# KiCad board main.kicad_pcb (continued)
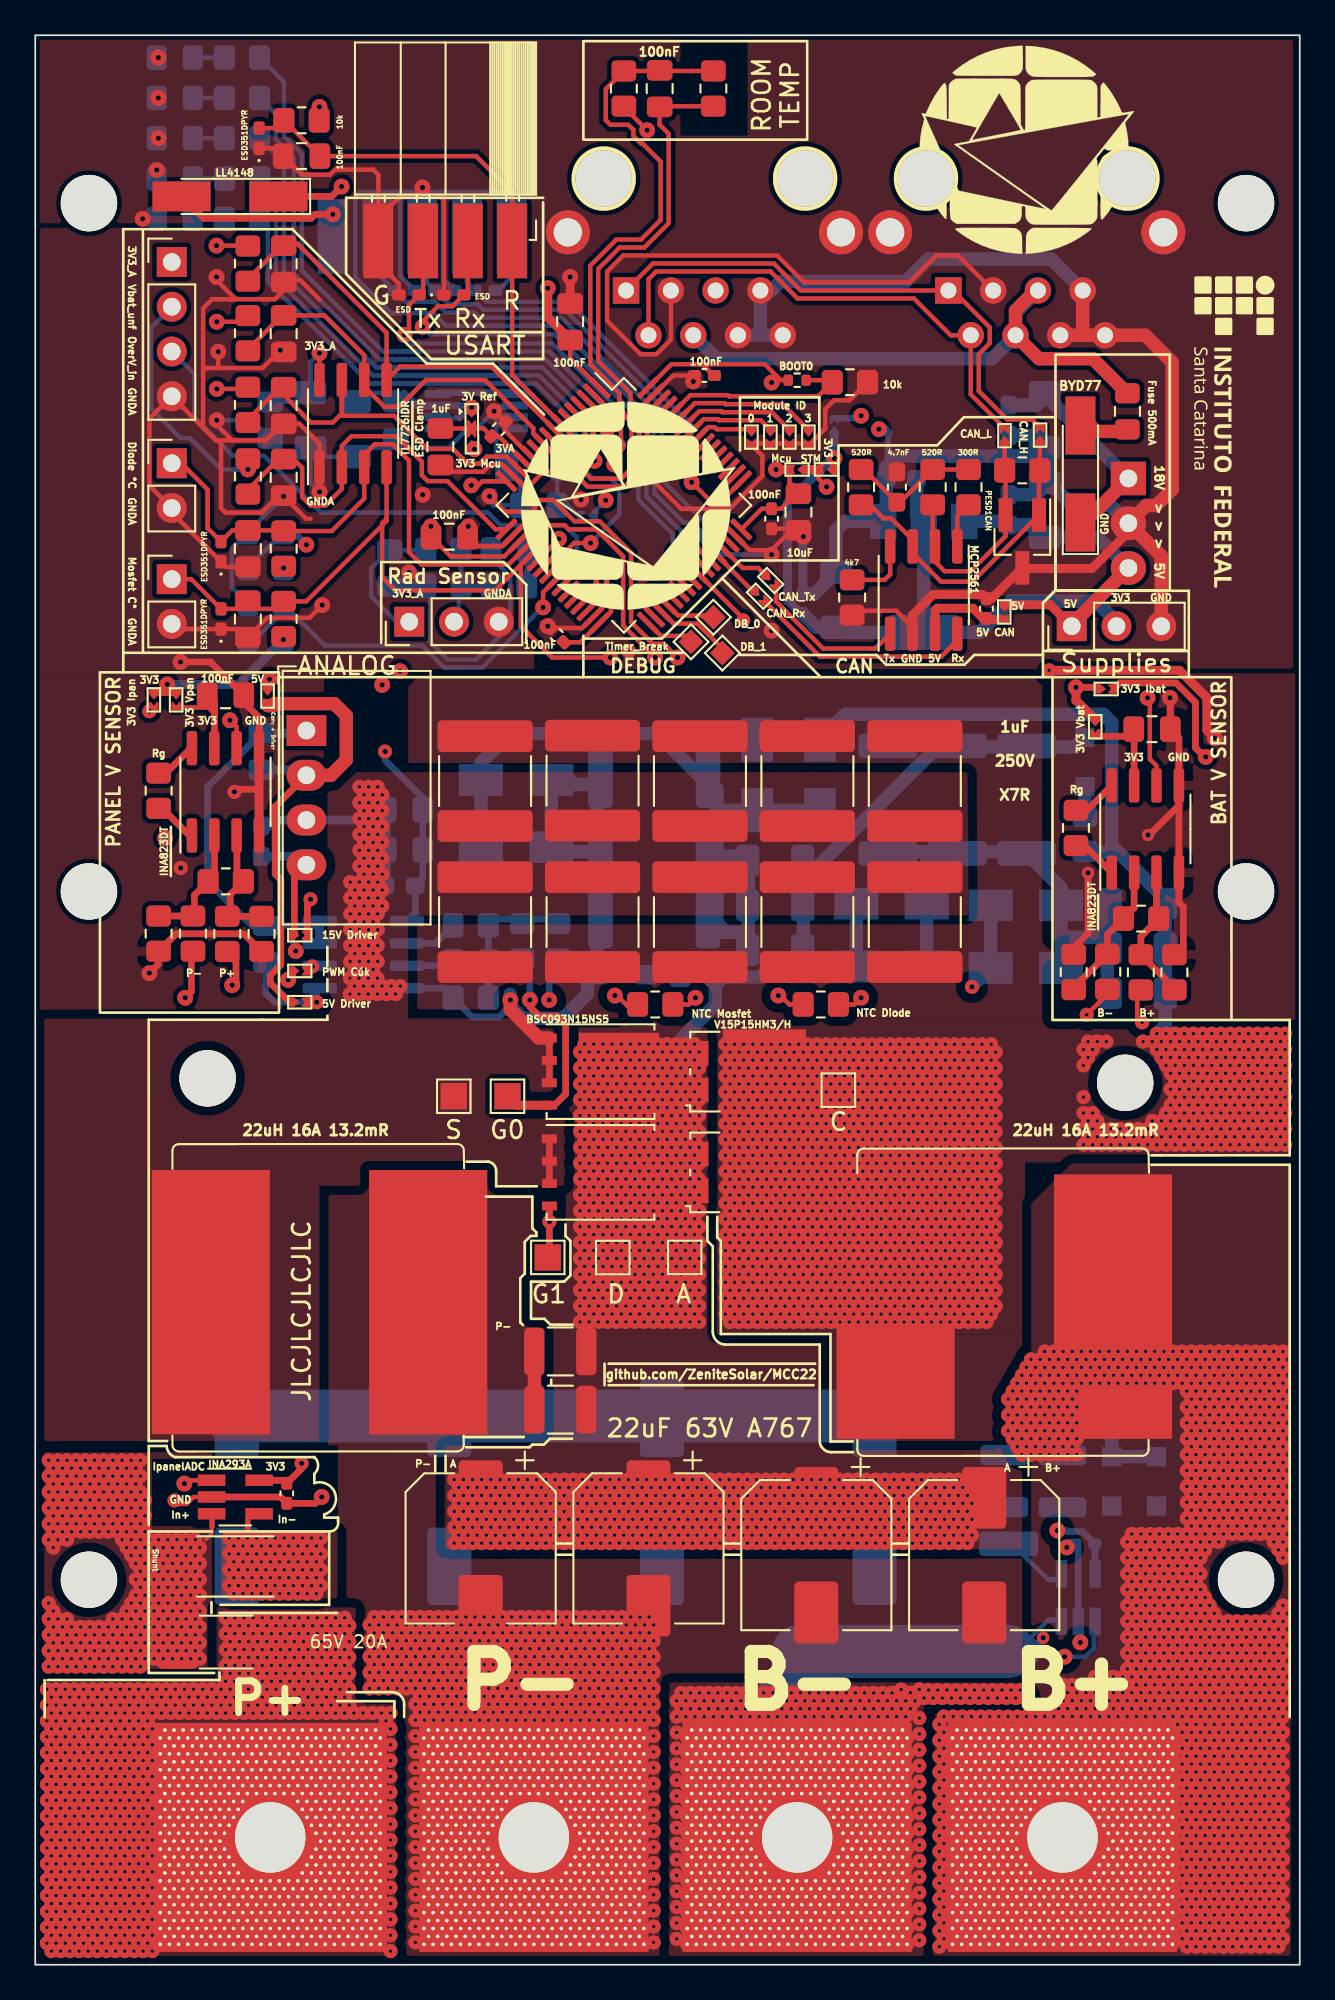
[diagram p0: board, top side]
## Routing (per net, layer and track width the routed paths; a pad name or vN(x,y) marks a point on that pad's centre or on a via; arc(x,y) is an arc through that point) (continued)
GNDA: length 974.4
  Top w0.254: 9.57,87.17 J301.4 6.48,87.72 6.48,83.92 J303.2 ; 9.57,87.17 10.25,86.49 11.17,86.49 ; 9.57,87.17 9.53,87.21 9.53,90.42 ; 11.17,86.49 10.3,87.36 v1(10.3,87.63) ; 11.17,86.49 13.08,86.49 14.02,87.43 ; TH303.2 35.47,105.45 ; U202.12 28.83,84.9 28.83,84.7 ; 14.1,83.64 12.85,82.39 10.79,82.39 10.54,82.65 10.54,86.49 ; TH301.2 46.48,54.48 v1(46.86,54.86) ; U202.15 26.49,85.12 25.81,85.12 25.4,84.71 25.07,84.71 25.07,84.71 23.37,84.71 ; U202.15 28.32,83.29 NT301.2 29.39,83.11 30.6,81.89 32.02,81.89 33.81,80.11 33.81,76.18 35.04,74.95 35.67,74.95 v1(36.45,74.17) ; U202.15 27.69,83.92 28.05,83.92 28.83,84.7 ; 11.06,94.5 13.59,94.5 14.1,95.01 14.1,95.58 15.04,95.58 16.13,94.49 ; 11.06,94.5 10.04,94.5 9.53,93.98 9.53,90.42 ; 11.06,94.5 11.37,94.5 10.29,95.58 v1(10.29,95.76) ; 7.75,82.39 D302.1 10.83,79.31 C303.2 ; 10.37,90.59 12.9,90.59 v1(13.91,91.6) ; 10.37,90.59 9.7,90.59 9.53,90.42 ; 10.37,90.59 10.38,90.61 v1(10.38,91.52) ; 28.83,84.7 30.51,84.7 31.34,83.86 33.45,83.86 34.29,84.71 34.29,87.68 33.86,88.12 33.86,88.23 33.78,88.3 33.78,89.16 31.95,90.99 31.95,96.22 33.16,97.43 34.57,97.43 35.94,98.81 35.94,103.89 35.43,104.39 C315.2 ; v3(7.9,26.34) 8.1,26.15 8.58,26.15 8.97,26.54 U303.2 ; C311.2 15,87.43 16.13,86.3 U305.1 ; 28.15,85.55 26.69,87.01 C211.1 26.08,88.14 ; v1(16.28,77.14) 15.57,76.43 13.18,76.43 C302.2 11.6,75.78 D301.1 8.55,75.78 8.26,76.08 ; 15.62,82.04 15.37,82.04 v1(14.1,83.31) ; v1(37.47,54.86) 37.08,54.48 TH302.2 ; v1(16.13,83.57) 16.13,84.96
  Top w0.381: U303.2 13.92,26.54 C305.2 15.89,26.18 v1(16.26,26.54) ; R313.1 65.15,57.82 65.15,60.02 64.9,60.27 U302.4 U302.5 ; v4(63.14,64.1) 63.21,64.1 64.9,65.79 U302.5 ; v3(11.3,66.55) 11.45,66.69 12.72,66.69 12.72,70.75 11.83,71.63 C307.2 9.95,73.91 v1(8.24,73.91) ; v1(6.48,56.26) 6.99,56.77 6.99,57.48 ; U302.5 64.9,69.62 C308.2 64.41,71.86 v1(64.39,71.88) ; v4(59.74,61.95) 59.74,58.52 58.93,57.71 ; 12.84,57.48 11.84,58.49 9.67,58.49 9.66,58.49 7.99,58.49 7,57.5
  Top w0.508: v2(57.53,73.44) 64.93,73.44 66.48,71.89 66.48,70.04 v1(66.93,69.6) ; U301.4 U301.5
  In1.Cu w0.254: 26.31,75.35 25.74,74.77 14.77,74.77 14.4,74.41 13.76,74.41 13.39,74.77 9.05,74.77 J304.2
  In1.Cu w0.381: 11.01,63.46 11.01,66.26 v3(11.3,66.55) ; 11.01,63.46 11.01,61.25 13.35,58.92 13.35,54.91 15.69,52.56 15.69,28.98 15.9,28.78 15.9,28.12 15.69,27.91 15.69,27.1 v1(16.26,26.54) ; 11.01,63.46 9.78,62.23 v3(8.26,62.23) ; v4(59.74,61.95) 61.89,64.1 v4(63.14,64.1)
  In1.Cu w0.508: v1(58.54,23.68) 57.68,23.68 53.53,27.83 53.53,33.99 57.02,37.49 57.02,61.47 65.15,69.6 v1(66.93,69.6) ; v1(10.29,95.76) 12.32,95.76 13.59,97.03 13.59,101.33 17.41,105.16 34.93,105.16 35.62,104.46 35.62,104.18 41.06,98.75 42.08,98.75 47.88,92.95 v1(47.88,87.12) 47.62,86.87 47.62,74.42 48.61,73.44 v2(57.53,73.44)
  In2.Cu w0.254: 34.86,74.95 35.67,74.95 v1(36.45,74.17) 34.67,72.39 34.67,70.91 34.26,70.49 34.26,56.55 34.71,56.09 42.16,56.09 43.39,54.86 v1(46.86,54.86) ; 34.86,74.95 34.4,74.49 34.4,74.03 33.35,72.98 33.35,55.68 34.16,54.86 34.51,54.86 ; 34.86,74.95 34.55,75.25 32.5,75.25 31.77,74.52 31.77,73.62 32.44,72.96 32.44,55.89 31.87,55.32 31.87,54.72 32.38,54.21 ; v1(6.48,56.26) 6.73,56 6.73,27.51 v3(7.9,26.34) 8.69,26.34 9.53,27.18 9.53,27.69 7.64,29.57 7.64,55.51 9.98,57.84 9.98,68.02 ; v1(14.1,83.31) 12.19,81.41 12.19,78.1 ; v1(10.38,91.52) 11.53,90.37 11.53,87.12 10.38,85.97 10.38,72.45 11.83,71 11.83,70.29 11.37,69.84 10.53,69.84 9.98,69.29 9.98,68.02 ; 9.98,68.02 9.98,71.18 9.98,71.19 9.98,71.56 9.47,72.07 9.47,86.87 10.23,87.63 v1(10.3,87.63) ; 34.51,54.86 33.87,54.86 33.22,54.21 32.38,54.21 ; 34.51,54.86 v1(37.47,54.86) ; 32.38,54.21 30.2,54.21 29.83,53.85 26.56,53.85 26.19,54.21 16.91,54.21 16.37,53.67 11.78,53.67 10.23,55.22 10.23,56.72 10.88,57.37 10.88,67.64 12.73,69.49 12.73,71.38 11.29,72.82 11.29,85.34 12.44,86.5 12.44,91.57 11.76,92.26 11.76,94.29 v1(10.29,95.76) ; 32.38,54.21 55.77,54.21 57.18,52.8 57.18,37.16 53.36,33.34 53.36,29.51 55.7,27.18 55.7,18.59 56.46,17.82 57.43,17.82 57.89,18.29 v1(59.3,18.29) 59.3,17.25 58.75,16.7 57.84,16.7 57.63,16.92 56.08,16.92 54.74,18.26 54.74,26.85 52.46,29.13 52.46,33.72 56.28,37.54 56.28,52.42 55.39,53.3 30.57,53.3 30.21,52.94 26.18,52.94 25.82,53.3 17.44,53.3 16.9,52.76 11.24,52.76 9.29,54.72 9.29,57.15 9.4,57.27 ; v1(16.28,77.14) 13.16,77.14 12.19,78.1 ; 12.19,78.1 12.19,74.29 14.29,74.29 14.67,74.68 30.12,74.68 31.67,76.22 36.43,76.22 37.97,74.68 61.59,74.68 v1(64.39,71.88)
  In2.Cu w0.381: v3(8.26,62.23) 9.01,61.48 9.01,58.24 7.03,56.26 v1(6.48,56.26)
  Bottom w0.25: 25.94,87.81 27.73,87.81
  Bottom w0.254: R323.1 11.15,78.13 11.15,80.35 R325.1 ; v1(16.13,83.57) 15.62,84.08 C313.2 ; v1(10.3,87.63) 12.3,87.63 C314.2 14.37,85.56 C204.1 ; U304.2 59.18,18.41 v1(59.3,18.29) ; NT201.1 C202.1 27.54,84.31 C201.1 26.17,85.68 26.17,87.72 26.27,87.81 U201.3 ; 18.16,86.07 23.46,86.07 24.64,87.25 25.15,87.25 25.98,88.08 ; 12.08,81.3 v1(14.1,83.31) ; 25.86,79.87 26.95,78.78 26.95,75.99 25.02,74.05 23.4,74.05 22.41,75.04 22.41,77.98
  Bottom w0.381: U304.2 59.18,23.69 C306.2
  Bottom w0.508: C306.2 58.73,23.88 v1(58.54,23.68) ; R304.2 20.13,78.23 ; NT302.2 48.18,87.12 v1(47.88,87.12)
  vias: v1(21.21,78.99) v1(21.99,83.4) v1(26.04,88.14)
/Analog/I_bat_adc+: length 24.9
  Top w0.254: 14.09,97.65 12.06,95.63 ; 14.1,97.65 14.87,97.65 19.94,92.59 U305.5 20.7,90.68 25.88,90.68 U202.8
/Analog/I_panel_adc+: length 22.6
  Top w0.254: U202.14 26.75,85.57 25.62,85.57 25.21,85.16 24.54,85.16 23.7,86 22.24,86 20.36,87.88 17.4,87.88 U305.7 17.4,88.01 16.89,87.51 15.62,87.51 15.19,87.94 15.19,87.97 14.1,89.06 ; 12.07,87.67 14.1,89.7
/Analog/V_bat_adc+: length 22.3
  Top w0.254: 12.06,83.68 13.81,85.43 ; U202.17 26.13,81.44 23.39,84.18 22.27,84.18 21.94,84.51 21.94,85.28 20.49,86.72 17.94,86.72 17.4,86.18 U305.2 17.4,83.73 16.46,82.79 15.64,82.79 15.15,83.28 15.15,84.93 14.65,85.43
/Analog/V_bat_unfiltered+: length 83.5
  Top w0.25: U302.6 63.63,68.02 63.25,68.4 63.25,71.75 v1(63.12,71.88)
  In2.Cu w0.254: 37.84,74.17 38.23,74.17 ; 37.84,74.17 36.24,75.77 31.86,75.77 30.26,74.17 14.81,74.17 14.48,73.84 12.01,73.84 11.74,74.1 11.74,84.51 v1(12.06,84.84) ; 37.84,74.17 38.23,74.17 ; 38.23,74.17 60.83,74.17 v1(63.12,71.88)
  Bottom w0.254: J301.2 6.57,92.89 6.57,88.3 8.26,86.61 8.76,86.61 10.54,84.84 v1(12.06,84.84)
/Analog/V_panel_adc+: length 22.7
  Top w0.254: 12.07,91.65 14.1,93.68 ; C309.1 16.41,93.58 18.67,91.32 U305.6 ; 18.67,89.54 19.81,88.39 20.65,88.39 22.17,89.92 25.53,89.92 28.26,87.18 28.26,86.88 U202.10
/Analog/V_Rad: length 7.1
  Top w0.254: v1(29.72,80.9) 29.72,80.89 U202.22
  Bottom w0.254: C304.1 27.93,78.29 ; v1(29.72,80.9) 27.88,79.06 R305.1
/Analog/V_temp_amb: length 39.3
  Top w0.254: TH303.1 R326.1 32.37,106.42 32.37,104.66 32.64,104.39 33.66,104.39 33.94,104.11 33.94,103.76 34.38,103.33 34.47,103.33 35.49,102.31 35.49,98.99 34.38,97.89 32.97,97.89 31.5,96.41 31.5,90.8 33.15,89.15 33.15,88.3 33.4,88.04 33.4,87.93 33.83,87.5 33.83,84.89 33.26,84.32 31.53,84.32 U202.9
/Analog/V_temp_diode: length 75.1
  Top w0.254: 18.67,85.67 19.27,86.27 20.29,86.27 21.21,85.35 21.21,80.14 21.91,79.45 26.86,79.45 U202.20 29.09,81.68 30.04,81.68 30.27,81.44 31.84,81.44 33.36,79.92 33.36,75.99 v1(35.18,74.17) ; R301.1 16.83,81.34 18.67,83.19 U305.3 ; TH301.1 42.8,54.48 42.29,54.99 ; 8.29,85.19 9.78,83.7 9.78,81.51 D302.2 11.18,81.38 C303.1 14.06,81.38 ; J303.1 8.5,85.19
  In2.Cu w0.254: v1(35.18,74.17) 35.18,73.83 33.8,72.45 33.8,55.87 34.03,55.64 41.51,55.64 v1(42.17,54.99)
/Analog/V_temp_mos: length 61.2
  Top w0.254: R302.1 15.38,77.36 19.94,81.92 19.94,82.04 ; v1(32.89,54.99) 33.02,54.99 33.66,54.36 33.94,54.36 ; 19.94,82.04 U305.4 ; 19.94,82.04 19.69,81.79 19.69,78.74 20.45,77.98 26.1,77.98 U202.21 27.55,79.43 27.55,75.95 29.34,74.17 v1(32.64,74.17) ; 13.67,76.93 D301.2 8.85,78.62 J304.1
  In2.Cu w0.254: v1(32.64,74.17) 32.89,73.91 v1(32.89,54.99)
/B+: length 82.4
  Top w0.254: 62.53,55.1 62.53,53.74 v2(62.81,53.47)
  In2.Cu w0.254: 61.59,19.56 58.29,19.56 57.02,20.83 57.02,27.28 54.37,29.92 54.37,32.92 58.19,36.74 58.19,52.54 58.82,53.17 59.97,53.17 60.07,53.27 62.62,53.27 v2(62.81,53.47)
  Bottom w3: 11.11,31.13 47.31,31.13
  vias: v2(51.3,13.63) v2(51.3,12.73) v2(51.3,11.83) v2(51.3,10.93) v2(51.3,10.03) v2(51.3,9.13) v2(51.3,8.23) v2(51.3,7.33) v2(51.3,6.43) v2(51.3,5.53) v2(51.3,4.63) v2(51.3,3.73) v2(51.3,2.83) v2(51.3,1.92) v2(51.3,1.02) v2(51.56,14.08) v2(51.56,13.18) v2(51.56,12.28) v2(51.56,11.38) v2(51.56,10.48) v2(51.56,9.58) v2(51.56,8.68) v2(51.56,7.78) v2(51.56,6.88) v2(51.56,5.98) v2(51.56,5.08) v2(51.56,4.18) v2(51.56,3.28) v2(51.56,2.37) v2(51.56,1.47) v2(52.08,14.08) v2(52.6,14.08) v2(53.12,14.08) v2(53.64,14.08) v2(54.16,14.08) v2(54.68,14.08) v2(55.2,32.09) v2(55.2,31.19) v2(55.2,30.29) v2(55.2,14.08) v2(55.46,32.54) v2(55.46,31.64) v2(55.46,30.74) v2(55.46,29.84) v2(55.72,33) v2(55.72,32.09) v2(55.72,31.19) v2(55.72,30.29) v2(55.72,29.39) v2(55.72,14.08) v2(55.98,33.45) v2(55.98,32.54) v2(55.98,31.64) v2(55.98,30.74) v2(55.98,29.84) v2(55.98,28.94) v2(56.24,33.9) v2(56.24,33) v2(56.24,32.09) v2(56.24,31.19) v2(56.24,30.29) v2(56.24,29.39) v2(56.24,14.08) v2(56.5,34.35) v2(56.5,33.45) v2(56.5,32.54) v2(56.5,31.64) v2(56.5,30.74) v2(56.5,29.84) v2(56.5,28.94) v2(56.76,33.9) v2(56.76,33) v2(56.76,32.09) v2(56.76,31.19) v2(56.76,30.29) v2(56.76,29.39) v2(56.76,14.08) v2(57.02,34.35) v2(57.02,33.45) v2(57.02,32.54) v2(57.02,31.64) v2(57.02,30.74) v2(57.02,29.84) v2(57.02,28.94) v2(57.28,34.8) v2(57.28,33.9) v2(57.28,33) v2(57.28,32.09) v2(57.28,31.19) v2(57.28,30.29) v2(57.28,29.39) v2(57.28,14.08) v2(57.54,34.35) v2(57.54,33.45) v2(57.54,32.54) v2(57.54,31.64) v2(57.54,30.74) v2(57.54,29.84) v2(57.54,28.94) v2(57.8,34.8) v2(57.8,33.9) v2(57.8,33) v2(57.8,32.09) v2(57.8,31.19) v2(57.8,30.29) v2(57.8,29.39) v2(57.8,14.98) v2(57.8,14.08) v2(58.06,34.35) v2(58.06,33.45) v2(58.06,32.54) v2(58.06,31.64) v2(58.06,30.74) v2(58.06,29.84) v2(58.06,28.94) v2(58.06,15.43) v2(58.06,14.53) v2(58.32,34.8) v2(58.32,33.9) v2(58.32,33) v2(58.32,32.09) v2(58.32,31.19) v2(58.32,30.29) v2(58.32,29.39) v2(58.32,15.88) v2(58.32,14.98) v2(58.32,14.08) v2(58.58,34.35) v2(58.58,33.45) v2(58.58,32.54) v2(58.58,31.64) v2(58.58,30.74) v2(58.58,29.84) v2(58.58,28.94) v2(58.58,15.43) v2(58.58,14.53) v2(58.84,34.8) v2(58.84,33.9) v2(58.84,33) v2(58.84,32.09) v2(58.84,31.19) v2(58.84,30.29) v2(58.84,29.39) v2(58.84,15.88) v2(58.84,14.98) v2(58.84,14.08) v2(59.1,34.35) v2(59.1,33.45) v2(59.1,32.54) v2(59.1,31.64) v2(59.1,30.74) v2(59.1,29.84) v2(59.1,28.94) v2(59.1,15.43) v2(59.1,14.53) v2(59.36,34.8) v2(59.36,33.9) v2(59.36,33) v2(59.36,15.88) v2(59.36,14.98) v2(59.36,14.08) v2(59.62,34.35) v2(59.62,33.45) v2(59.62,15.43) v2(59.62,14.53) v2(59.88,34.8) v2(59.88,33.9) v2(59.88,33) v2(59.88,15.88) v2(59.88,14.98) v2(59.88,14.08) v2(60.14,34.35) v2(60.14,33.45) v2(60.14,16.33) v2(60.14,15.43) v2(60.14,14.53) v2(60.4,34.8) v2(60.4,33.9) v2(60.4,33) v2(60.4,15.88) v2(60.4,14.98) v2(60.4,14.08) v2(60.66,34.35) v2(60.66,33.45) v2(60.66,16.33) v2(60.66,15.43) v2(60.66,14.53) v2(60.92,34.8) v2(60.92,33.9) v2(60.92,33) v2(60.92,15.88) v2(60.92,14.98) v2(60.92,14.08) v2(61.18,34.35) v2(61.18,33.45) v2(61.18,16.33) v2(61.18,15.43) v2(61.18,14.53) v2(61.44,34.8) v2(61.44,33.9) v2(61.44,33) v2(61.44,15.88) v2(61.44,14.98) v2(61.44,14.08) v2(61.7,34.35) v2(61.7,33.45) v2(61.7,16.33) v2(61.7,15.43) v2(61.7,14.53) v2(61.96,34.8) v2(61.96,33.9) v2(61.96,33) v2(61.96,23.99) v2(61.96,23.09) v2(61.96,22.19) v2(61.96,21.29) v2(61.96,20.39) v2(61.96,19.49) v2(61.96,18.59) v2(61.96,17.69) v2(61.96,16.78) v2(61.96,15.88) v2(61.96,14.98) v2(61.96,14.08) v2(62.22,34.35) v2(62.22,33.45) v2(62.22,24.44) v2(62.22,23.54) v2(62.22,22.64) v2(62.22,21.74) v2(62.22,20.84) v2(62.22,19.94) v2(62.22,19.04) v2(62.22,18.14) v2(62.22,17.23) v2(62.22,16.33) v2(62.22,15.43) v2(62.22,14.53) v2(62.48,34.8) v2(62.48,33.9) v2(62.48,33) v2(62.48,23.99) v2(62.48,23.09) v2(62.48,22.19) v2(62.48,21.29) v2(62.48,20.39) v2(62.48,19.49) v2(62.48,18.59) v2(62.48,17.69) v2(62.48,16.78) v2(62.48,15.88) v2(62.48,14.98) v2(62.48,14.08) v2(62.74,34.35) v2(62.74,33.45) v2(62.74,24.44) v2(62.74,23.54) v2(62.74,22.64) v2(62.74,21.74) v2(62.74,20.84) v2(62.74,19.94) v2(62.74,19.04) v2(62.74,18.14) v2(62.74,17.23) v2(62.74,16.33) v2(62.74,15.43) v2(62.74,14.53) v2(63,34.8) v2(63,33.9) v2(63,33) v2(63,23.99) v2(63,23.09) v2(63,22.19) v2(63,21.29) v2(63,20.39) v2(63,19.49) v2(63,18.59) v2(63,17.69) v2(63,16.78) v2(63,15.88) v2(63,14.98) v2(63,14.08) v2(63.26,34.35) v2(63.26,33.45) v2(63.26,24.44) v2(63.26,23.54) v2(63.26,22.64) v2(63.26,21.74) v2(63.26,20.84) v2(63.26,19.94) v2(63.26,19.04) v2(63.26,18.14) v2(63.26,17.23) v2(63.26,16.33) v2(63.26,15.43) v2(63.26,14.53) v2(63.52,34.8) v2(63.52,33.9) v2(63.52,33) v2(63.52,23.99) v2(63.52,23.09) v2(63.52,22.19) v2(63.52,21.29) v2(63.52,20.39) v2(63.52,19.49) v2(63.52,18.59) v2(63.52,17.69) v2(63.52,16.78) v2(63.52,15.88) v2(63.52,14.98) v2(63.52,14.08) v2(63.78,34.35) v2(63.78,33.45) v2(63.78,24.44) v2(63.78,23.54) v2(63.78,22.64) v2(63.78,21.74) v2(63.78,20.84) v2(63.78,19.94) v2(63.78,19.04) v2(63.78,18.14) v2(63.78,17.23) v2(63.78,16.33) v2(63.78,15.43) v2(63.78,14.53) v2(64.04,34.8) v2(64.04,33.9) v2(64.04,33) v2(64.04,23.99) v2(64.04,23.09) v2(64.04,22.19) v2(64.04,21.29) v2(64.04,20.39) v2(64.04,19.49) v2(64.04,18.59) v2(64.04,17.69) v2(64.04,16.78) v2(64.04,15.88) v2(64.04,14.98) v2(64.04,14.08) v2(64.3,34.35) v2(64.3,33.45) v2(64.3,24.44) v2(64.3,23.54) v2(64.3,22.64) v2(64.3,21.74) v2(64.3,20.84) v2(64.3,19.94) v2(64.3,19.04) v2(64.3,18.14) v2(64.3,17.23) v2(64.3,16.33) v2(64.3,15.43) v2(64.3,14.53) v2(64.56,34.8) v2(64.56,33.9) v2(64.56,33) v2(64.56,23.99) v2(64.56,23.09) v2(64.56,22.19) v2(64.56,21.29) v2(64.56,20.39) v2(64.56,19.49) v2(64.56,18.59) v2(64.56,17.69) v2(64.56,16.78) v2(64.56,15.88) v2(64.56,14.98) v2(64.56,14.08) v2(64.82,34.35) v2(64.82,33.45) v2(64.82,24.44) v2(64.82,23.54) v2(64.82,22.64) v2(64.82,21.74) v2(64.82,20.84) v2(64.82,19.94) v2(64.82,19.04) v2(64.82,18.14) v2(64.82,17.23) v2(64.82,16.33) v2(64.82,15.43) v2(64.82,14.53) v2(64.82,13.63) v2(65.08,34.8) v2(65.08,33.9) v2(65.08,33) v2(65.08,23.99) v2(65.08,23.09) v2(65.08,22.19) v2(65.08,21.29) v2(65.08,20.39) v2(65.08,19.49) v2(65.08,18.59) v2(65.08,17.69) v2(65.08,16.78) v2(65.08,15.88) v2(65.08,14.98) v2(65.08,14.08) v2(65.08,13.18) v2(65.08,12.28) v2(65.08,11.38) v2(65.08,10.48) v2(65.08,9.58) v2(65.08,8.68) v2(65.08,7.78) v2(65.08,6.88) v2(65.08,5.98) v2(65.08,5.08) v2(65.08,4.18) v2(65.08,3.28) v2(65.08,2.37) v2(65.08,1.47) v2(65.34,34.35) v2(65.34,33.45) v2(65.34,32.54) v2(65.34,31.64) v2(65.34,30.74) v2(65.34,29.84) v2(65.34,28.94) v2(65.34,28.04) v2(65.34,27.14) v2(65.34,26.24) v2(65.34,25.34) v2(65.34,24.44) v2(65.34,23.54) v2(65.34,22.64) v2(65.34,21.74) v2(65.34,20.84) v2(65.34,19.94) v2(65.34,19.04) v2(65.34,18.14) v2(65.34,17.23) v2(65.34,16.33) v2(65.34,15.43) v2(65.34,14.53) v2(65.34,13.63) v2(65.34,12.73) v2(65.34,11.83) v2(65.34,10.93) v2(65.34,10.03) v2(65.34,9.13) v2(65.34,8.23) v2(65.34,7.33) v2(65.34,6.43) v2(65.34,5.53) v2(65.34,4.63) v2(65.34,3.73) v2(65.34,2.83) v2(65.34,1.92) v2(65.34,1.02) v2(65.6,34.8) v2(65.6,33.9) v2(65.6,33) v2(65.6,32.09) v2(65.6,31.19) v2(65.6,30.29) v2(65.6,29.39) v2(65.6,28.49) v2(65.6,27.59) v2(65.6,26.69) v2(65.6,25.79) v2(65.6,24.89) v2(65.6,23.99) v2(65.6,23.09) v2(65.6,22.19) v2(65.6,21.29) v2(65.6,20.39) v2(65.6,19.49) v2(65.6,18.59) v2(65.6,17.69) v2(65.6,16.78) v2(65.6,15.88) v2(65.6,14.98) v2(65.6,14.08) v2(65.6,13.18) v2(65.6,12.28) v2(65.6,11.38) v2(65.6,10.48) v2(65.6,9.58) v2(65.6,8.68) v2(65.6,7.78) v2(65.6,6.88) v2(65.6,5.98) v2(65.6,5.08) v2(65.6,4.18) v2(65.6,3.28) v2(65.6,2.37) v2(65.6,1.47) v2(65.86,34.35) v2(65.86,33.45) v2(65.86,32.54) v2(65.86,31.64) v2(65.86,30.74) v2(65.86,29.84) v2(65.86,28.94) v2(65.86,28.04) v2(65.86,27.14) v2(65.86,26.24) v2(65.86,25.34) v2(65.86,24.44) v2(65.86,23.54) v2(65.86,22.64) v2(65.86,21.74) v2(65.86,20.84) v2(65.86,19.94) v2(65.86,19.04) v2(65.86,18.14) v2(65.86,17.23) v2(65.86,16.33) v2(65.86,15.43) v2(65.86,14.53) v2(65.86,13.63) v2(65.86,12.73) v2(65.86,11.83) v2(65.86,10.93) v2(65.86,10.03) v2(65.86,9.13) v2(65.86,8.23) v2(65.86,7.33) v2(65.86,6.43) v2(65.86,5.53) v2(65.86,4.63) v2(65.86,3.73) v2(65.86,2.83) v2(65.86,1.92) v2(65.86,1.02) v2(66.12,34.8) v2(66.12,33.9) v2(66.12,33) v2(66.12,32.09) v2(66.12,31.19) v2(66.12,30.29) v2(66.12,29.39) v2(66.12,28.49) v2(66.12,27.59) v2(66.12,26.69) v2(66.12,25.79) v2(66.12,24.89) v2(66.12,23.99) v2(66.12,23.09) v2(66.12,22.19) v2(66.12,21.29) v2(66.12,20.39) v2(66.12,19.49) v2(66.12,18.59) v2(66.12,17.69) v2(66.12,16.78) v2(66.12,15.88) v2(66.12,14.98) v2(66.12,14.08) v2(66.12,13.18) v2(66.12,12.28) v2(66.12,11.38) v2(66.12,10.48) v2(66.12,9.58) v2(66.12,8.68) v2(66.12,7.78) v2(66.12,6.88) v2(66.12,5.98) v2(66.12,5.08) v2(66.12,4.18) v2(66.12,3.28) v2(66.12,2.37) v2(66.12,1.47) v2(66.38,34.35) v2(66.38,33.45) v2(66.38,32.54) v2(66.38,31.64) v2(66.38,30.74) v2(66.38,29.84) v2(66.38,28.94) v2(66.38,28.04) v2(66.38,27.14) v2(66.38,26.24) v2(66.38,25.34) v2(66.38,24.44) v2(66.38,23.54) v2(66.38,20.84) v2(66.38,19.94) v2(66.38,19.04) v2(66.38,18.14) v2(66.38,17.23) v2(66.38,16.33) v2(66.38,15.43) v2(66.38,14.53) v2(66.38,13.63) v2(66.38,12.73) v2(66.38,11.83) v2(66.38,10.93) v2(66.38,10.03) v2(66.38,9.13) v2(66.38,8.23) v2(66.38,7.33) v2(66.38,6.43) v2(66.38,5.53) v2(66.38,4.63) v2(66.38,3.73) v2(66.38,2.83) v2(66.38,1.92) v2(66.38,1.02) v2(66.64,34.8) v2(66.64,33.9) v2(66.64,33) v2(66.64,32.09) v2(66.64,31.19) v2(66.64,30.29) v2(66.64,29.39) v2(66.64,28.49) v2(66.64,27.59) v2(66.64,26.69) v2(66.64,25.79) v2(66.64,24.89) v2(66.64,23.99) v2(66.64,20.39) v2(66.64,19.49) v2(66.64,18.59) v2(66.64,17.69) v2(66.64,16.78) v2(66.64,15.88) v2(66.64,14.98) v2(66.64,14.08) v2(66.64,13.18) v2(66.64,12.28) v2(66.64,11.38) v2(66.64,10.48) v2(66.64,9.58) v2(66.64,8.68) v2(66.64,7.78) v2(66.64,6.88) v2(66.64,5.98) v2(66.64,5.08) v2(66.64,4.18) v2(66.64,3.28) v2(66.64,2.37) v2(66.64,1.47) v2(66.9,34.35) v2(66.9,33.45) v2(66.9,32.54) v2(66.9,31.64) v2(66.9,30.74) v2(66.9,29.84) v2(66.9,28.94) v2(66.9,28.04) v2(66.9,27.14) v2(66.9,26.24) v2(66.9,25.34) v2(66.9,24.44) v2(66.9,19.94) v2(66.9,19.04) v2(66.9,18.14) v2(66.9,17.23) v2(66.9,16.33) v2(66.9,15.43) v2(66.9,14.53) v2(66.9,13.63) v2(66.9,12.73) v2(66.9,11.83) v2(66.9,10.93) v2(66.9,10.03) v2(66.9,9.13) v2(66.9,8.23) v2(66.9,7.33) v2(66.9,6.43) v2(66.9,5.53) v2(66.9,4.63) v2(66.9,3.73) v2(66.9,2.83) v2(66.9,1.92) v2(66.9,1.02) v2(67.16,34.8) v2(67.16,33.9) v2(67.16,33) v2(67.16,32.09) v2(67.16,31.19) v2(67.16,30.29) v2(67.16,29.39) v2(67.16,28.49) v2(67.16,27.59) v2(67.16,26.69) v2(67.16,25.79) v2(67.16,24.89) v2(67.16,23.99) v2(67.16,19.49) v2(67.16,18.59) v2(67.16,17.69) v2(67.16,16.78) v2(67.16,15.88) v2(67.16,14.98) v2(67.16,14.08) v2(67.16,13.18) v2(67.16,12.28) v2(67.16,11.38) v2(67.16,10.48) v2(67.16,9.58) v2(67.16,8.68) v2(67.16,7.78) v2(67.16,6.88) v2(67.16,5.98) v2(67.16,5.08) v2(67.16,4.18) v2(67.16,3.28) v2(67.16,2.37) v2(67.16,1.47) v2(67.42,34.35) v2(67.42,33.45) v2(67.42,32.54) v2(67.42,31.64) v2(67.42,30.74) v2(67.42,29.84) v2(67.42,28.94) v2(67.42,28.04) v2(67.42,27.14) v2(67.42,26.24) v2(67.42,25.34) v2(67.42,24.44) v2(67.42,19.04) v2(67.42,18.14) v2(67.42,17.23) v2(67.42,16.33) v2(67.42,15.43) v2(67.42,14.53) v2(67.42,13.63) v2(67.42,12.73) v2(67.42,11.83) v2(67.42,10.93) v2(67.42,10.03) v2(67.42,9.13) v2(67.42,8.23) v2(67.42,7.33) v2(67.42,6.43) v2(67.42,5.53) v2(67.42,4.63) v2(67.42,3.73) v2(67.42,2.83) v2(67.42,1.92) v2(67.42,1.02) v2(67.68,34.8) v2(67.68,33.9) v2(67.68,33) v2(67.68,32.09) v2(67.68,31.19) v2(67.68,30.29) v2(67.68,29.39) v2(67.68,28.49) v2(67.68,27.59) v2(67.68,26.69) v2(67.68,25.79) v2(67.68,24.89) v2(67.68,19.49) v2(67.68,18.59) v2(67.68,17.69) v2(67.68,16.78) v2(67.68,15.88) v2(67.68,14.98) v2(67.68,14.08) v2(67.68,13.18) v2(67.68,12.28) v2(67.68,11.38) v2(67.68,10.48) v2(67.68,9.58) v2(67.68,8.68) v2(67.68,7.78) v2(67.68,6.88) v2(67.68,5.98) v2(67.68,5.08) v2(67.68,4.18) v2(67.68,3.28) v2(67.68,2.37) v2(67.68,1.47) v2(67.94,34.35) v2(67.94,33.45) v2(67.94,32.54) v2(67.94,31.64) v2(67.94,30.74) v2(67.94,29.84) v2(67.94,28.94) v2(67.94,28.04) v2(67.94,27.14) v2(67.94,26.24) v2(67.94,25.34) v2(67.94,24.44) v2(67.94,19.04) v2(67.94,18.14) v2(67.94,17.23) v2(67.94,16.33) v2(67.94,15.43) v2(67.94,14.53) v2(67.94,13.63) v2(67.94,12.73) v2(67.94,11.83) v2(67.94,10.93) v2(67.94,10.03) v2(67.94,9.13) v2(67.94,8.23) v2(67.94,7.33) v2(67.94,6.43) v2(67.94,5.53) v2(67.94,4.63) v2(67.94,3.73) v2(67.94,2.83) v2(67.94,1.92) v2(67.94,1.02) v2(68.2,34.8) v2(68.2,33.9) v2(68.2,33) v2(68.2,32.09) v2(68.2,31.19) v2(68.2,30.29) v2(68.2,29.39) v2(68.2,28.49) v2(68.2,27.59) v2(68.2,26.69) v2(68.2,25.79) v2(68.2,24.89) v2(68.2,19.49) v2(68.2,18.59) v2(68.2,17.69) v2(68.2,16.78) v2(68.2,15.88) v2(68.2,14.98) v2(68.2,14.08) v2(68.2,13.18) v2(68.2,12.28) v2(68.2,11.38) v2(68.2,10.48) v2(68.2,9.58) v2(68.2,8.68) v2(68.2,7.78) v2(68.2,6.88) v2(68.2,5.98) v2(68.2,5.08) v2(68.2,4.18) v2(68.2,3.28) v2(68.2,2.37) v2(68.2,1.47) v2(68.46,34.35) v2(68.46,33.45) v2(68.46,32.54) v2(68.46,31.64) v2(68.46,30.74) v2(68.46,29.84) v2(68.46,28.94) v2(68.46,28.04) v2(68.46,27.14) v2(68.46,26.24) v2(68.46,25.34) v2(68.46,24.44) v2(68.46,19.04) v2(68.46,18.14) v2(68.46,17.23) v2(68.46,16.33) v2(68.46,15.43) v2(68.46,14.53) v2(68.46,13.63) v2(68.46,12.73) v2(68.46,11.83) v2(68.46,10.93) v2(68.46,10.03) v2(68.46,9.13) v2(68.46,8.23) v2(68.46,7.33) v2(68.46,6.43) v2(68.46,5.53) v2(68.46,4.63) v2(68.46,3.73) v2(68.46,2.83) v2(68.46,1.92) v2(68.46,1.02) v2(68.72,34.8) v2(68.72,33.9) v2(68.72,33) v2(68.72,32.09) v2(68.72,31.19) v2(68.72,30.29) v2(68.72,29.39) v2(68.72,28.49) v2(68.72,27.59) v2(68.72,26.69) v2(68.72,25.79) v2(68.72,24.89) v2(68.72,19.49) v2(68.72,18.59) v2(68.72,17.69) v2(68.72,16.78) v2(68.72,15.88) v2(68.72,14.98) v2(68.72,14.08) v2(68.72,13.18) v2(68.72,12.28) v2(68.72,11.38) v2(68.72,10.48) v2(68.72,9.58) v2(68.72,8.68) v2(68.72,7.78) v2(68.72,6.88) v2(68.72,5.98) v2(68.72,5.08) v2(68.72,4.18) v2(68.72,3.28) v2(68.72,2.37) v2(68.72,1.47) v2(68.98,34.35) v2(68.98,33.45) v2(68.98,32.54) v2(68.98,31.64) v2(68.98,30.74) v2(68.98,29.84) v2(68.98,28.94) v2(68.98,28.04) v2(68.98,27.14) v2(68.98,26.24) v2(68.98,25.34) v2(68.98,24.44) v2(68.98,19.04) v2(68.98,18.14) v2(68.98,17.23) v2(68.98,16.33) v2(68.98,15.43) v2(68.98,14.53) v2(68.98,13.63) v2(68.98,12.73) v2(68.98,11.83) v2(68.98,10.93) v2(68.98,10.03) v2(68.98,9.13) v2(68.98,8.23) v2(68.98,7.33) v2(68.98,6.43) v2(68.98,5.53) v2(68.98,4.63) v2(68.98,3.73) v2(68.98,2.83) v2(68.98,1.92) v2(68.98,1.02) v2(69.24,34.8) v2(69.24,33.9) v2(69.24,33) v2(69.24,32.09) v2(69.24,31.19) v2(69.24,30.29) v2(69.24,29.39) v2(69.24,28.49) v2(69.24,27.59) v2(69.24,26.69) v2(69.24,25.79) v2(69.24,24.89) v2(69.24,19.49) v2(69.24,18.59) v2(69.24,17.69) v2(69.24,16.78) v2(69.24,15.88) v2(69.24,14.98) v2(69.24,14.08) v2(69.24,13.18) v2(69.24,12.28) v2(69.24,11.38) v2(69.24,10.48) v2(69.24,9.58) v2(69.24,8.68) v2(69.24,7.78) v2(69.24,6.88) v2(69.24,5.98) v2(69.24,5.08) v2(69.24,4.18) v2(69.24,3.28) v2(69.24,2.37) v2(69.24,1.47) v2(69.5,34.35) v2(69.5,33.45) v2(69.5,32.54) v2(69.5,31.64) v2(69.5,30.74) v2(69.5,29.84) v2(69.5,28.94) v2(69.5,28.04) v2(69.5,27.14) v2(69.5,26.24) v2(69.5,25.34) v2(69.5,24.44) v2(69.5,19.04) v2(69.5,18.14) v2(69.5,17.23) v2(69.5,16.33) v2(69.5,15.43) v2(69.5,14.53) v2(69.5,13.63) v2(69.5,12.73) v2(69.5,11.83) v2(69.5,10.93) v2(69.5,10.03) v2(69.5,9.13) v2(69.5,8.23) v2(69.5,7.33) v2(69.5,6.43) v2(69.5,5.53) v2(69.5,4.63) v2(69.5,3.73) v2(69.5,2.83) v2(69.5,1.92) v2(69.5,1.02) v2(69.76,34.8) v2(69.76,33.9) v2(69.76,33) v2(69.76,32.09) v2(69.76,31.19) v2(69.76,30.29) v2(69.76,29.39) v2(69.76,28.49) v2(69.76,27.59) v2(69.76,26.69) v2(69.76,25.79) v2(69.76,24.89) v2(69.76,19.49) v2(69.76,18.59) v2(69.76,17.69) v2(69.76,16.78) v2(69.76,15.88) v2(69.76,14.98) v2(69.76,14.08) v2(69.76,13.18) v2(69.76,12.28) v2(69.76,11.38) v2(69.76,10.48) v2(69.76,9.58) v2(69.76,8.68) v2(69.76,7.78) v2(69.76,6.88) v2(69.76,5.98) v2(69.76,5.08) v2(69.76,4.18) v2(69.76,3.28) v2(69.76,2.37) v2(69.76,1.47) v2(70.02,34.35) v2(70.02,33.45) v2(70.02,32.54) v2(70.02,31.64) v2(70.02,30.74) v2(70.02,29.84) v2(70.02,28.94) v2(70.02,28.04) v2(70.02,27.14) v2(70.02,26.24) v2(70.02,25.34) v2(70.02,24.44) v2(70.02,19.04) v2(70.02,18.14) v2(70.02,17.23) v2(70.02,16.33) v2(70.02,15.43) v2(70.02,14.53) v2(70.02,13.63) v2(70.02,12.73) v2(70.02,11.83) v2(70.02,10.93) v2(70.02,10.03) v2(70.02,9.13) v2(70.02,8.23) v2(70.02,7.33) v2(70.02,6.43) v2(70.02,5.53) v2(70.02,4.63) v2(70.02,3.73) v2(70.02,2.83) v2(70.02,1.92) v2(70.02,1.02) v2(70.28,34.8) v2(70.28,33.9) v2(70.28,33) v2(70.28,32.09) v2(70.28,31.19) v2(70.28,30.29) v2(70.28,29.39) v2(70.28,28.49) v2(70.28,27.59) v2(70.28,26.69) v2(70.28,25.79) v2(70.28,24.89) v2(70.28,23.99) v2(70.28,19.49) v2(70.28,18.59) v2(70.28,17.69) v2(70.28,16.78) v2(70.28,15.88) v2(70.28,14.98) v2(70.28,14.08) v2(70.28,13.18) v2(70.28,12.28) v2(70.28,11.38) v2(70.28,10.48) v2(70.28,9.58) v2(70.28,8.68) v2(70.28,7.78) v2(70.28,6.88) v2(70.28,5.98) v2(70.28,5.08) v2(70.28,4.18) v2(70.28,3.28) v2(70.28,2.37) v2(70.28,1.47) v2(70.54,34.35) v2(70.54,33.45) v2(70.54,32.54) v2(70.54,31.64) v2(70.54,30.74) v2(70.54,29.84) v2(70.54,28.94) v2(70.54,28.04) v2(70.54,27.14) v2(70.54,26.24) v2(70.54,25.34) v2(70.54,24.44) v2(70.54,23.54) v2(70.54,19.94) v2(70.54,19.04) v2(70.54,18.14) v2(70.54,17.23) v2(70.54,16.33) v2(70.54,15.43) v2(70.54,14.53) v2(70.54,13.63) v2(70.54,12.73) v2(70.54,11.83) v2(70.54,10.93) v2(70.54,10.03) v2(70.54,9.13) v2(70.54,8.23) v2(70.54,7.33) v2(70.54,6.43) v2(70.54,5.53) v2(70.54,4.63) v2(70.54,3.73) v2(70.54,2.83) v2(70.54,1.92) v2(70.54,1.02) v2(70.8,34.8) v2(70.8,33.9) v2(70.8,33) v2(70.8,32.09) v2(70.8,31.19) v2(70.8,30.29) v2(70.8,29.39) v2(70.8,28.49) v2(70.8,27.59) v2(70.8,26.69) v2(70.8,25.79) v2(70.8,24.89) v2(70.8,23.99) v2(70.8,23.09) v2(70.8,20.39) v2(70.8,19.49) v2(70.8,18.59) v2(70.8,17.69) v2(70.8,16.78) v2(70.8,15.88) v2(70.8,14.98) v2(70.8,14.08) v2(70.8,13.18) v2(70.8,12.28) v2(70.8,11.38) v2(70.8,10.48) v2(70.8,9.58) v2(70.8,8.68) v2(70.8,7.78) v2(70.8,6.88) v2(70.8,5.98) v2(70.8,5.08) v2(70.8,4.18) v2(70.8,3.28) v2(70.8,2.37) v2(70.8,1.47)
/B-: length 66.1
  Top w0.254: 60.83,55.07 v2(59.66,53.9)
  In2.Cu w0.254: v4(57.2,18.55) 56.52,19.23 56.52,27.07 53.87,29.72 53.87,33.13 57.69,36.95 57.69,52.79 58.8,53.9 v2(59.66,53.9)
  Bottom w0.254: 55.7,17.78 NT104.2
  Bottom w0.381: 56.52,17.78 57.2,18.46 v4(57.2,18.55)
  Bottom w3: 43.31,17.78 R102.1 ; 42.55,9.4 42.55,15.49 44.83,17.78
  vias: v2(36.4,14.98) v2(36.4,14.07) v2(36.4,13.17) v2(36.4,12.27) v2(36.4,11.37) v2(36.4,10.47) v2(36.4,9.57) v2(36.4,8.67) v2(36.4,7.77) v2(36.4,6.87) v2(36.4,5.97) v2(36.4,5.07) v2(36.4,4.17) v2(36.4,3.27) v2(36.4,2.37) v2(36.4,1.47) v2(36.66,15.43) v2(36.66,14.53) v2(36.92,14.98) v2(36.92,14.07) v2(37.18,15.43) v2(37.18,14.53) v2(37.44,14.98) v2(37.44,14.07) v2(37.7,15.43) v2(37.7,14.53) v2(37.96,14.98) v2(37.96,14.07) v2(38.22,15.43) v2(38.22,14.53) v2(38.48,14.98) v2(38.48,14.07) v2(38.74,15.43) v2(38.74,14.53) v2(39,14.98) v2(39,14.07) v2(39.26,15.43) v2(39.26,14.53) v2(39.52,14.98) v2(39.52,14.07) v2(39.78,15.43) v2(39.78,14.53) v2(40.04,14.98) v2(40.04,14.07) v2(40.3,15.43) v2(40.3,14.53) v2(40.56,14.98) v2(40.56,14.07) v2(40.82,15.43) v2(40.82,14.53) v2(41.08,14.98) v2(41.08,14.07) v2(41.34,15.43) v2(41.34,14.53) v2(41.6,14.98) v2(41.6,14.07) v2(41.86,15.43) v2(41.86,14.53) v2(42.12,14.98) v2(42.12,14.07) v2(42.38,15.43) v2(42.38,14.53) v2(42.64,14.98) v2(42.64,14.07) v2(42.9,15.43) v2(42.9,14.53) v2(43.16,14.98) v2(43.16,14.07) v2(43.42,15.43) v2(43.42,14.53) v2(43.68,14.98) v2(43.68,14.07) v2(43.94,15.43) v2(43.94,14.53) v2(44.2,14.98) v2(44.2,14.07) v2(44.46,15.43) v2(44.46,14.53) v2(44.72,14.98) v2(44.72,14.07) v2(44.98,15.43) v2(44.98,14.53) v2(45.24,14.98) v2(45.24,14.07) v2(45.5,15.43) v2(45.5,14.53) v2(45.76,14.98) v2(45.76,14.07) v2(46.02,15.43) v2(46.02,14.53) v2(46.28,14.98) v2(46.28,14.07) v2(46.54,15.43) v2(46.54,14.53) v2(46.8,14.98) v2(46.8,14.07) v2(47.06,15.43) v2(47.06,14.53) v2(47.32,14.98) v2(47.32,14.07) v2(47.58,15.43) v2(47.58,14.53) v2(47.84,14.98) v2(47.84,14.07) v2(48.1,15.43) v2(48.1,14.53) v2(48.36,14.98) v2(48.36,14.07) v2(48.62,15.43) v2(48.62,14.53) v2(48.88,14.98) v2(48.88,14.07) v2(49.13,15.61) v2(49.14,14.53) v2(49.4,14.98) v2(49.4,14.07) v2(49.66,15.43) v2(49.66,14.53) v2(49.92,14.97) v2(50.16,15.62) v2(50.16,13.99) v2(50.16,13.09) v2(50.16,12.19) v2(50.16,11.29) v2(50.16,10.39) v2(50.16,9.49) v2(50.16,8.59) v2(50.16,7.69) v2(50.16,6.79) v2(50.16,5.89) v2(50.16,4.99) v2(50.16,4.09) v2(50.16,3.19) v2(50.16,2.29) v2(50.16,1.39) v2(50.43,15.13) v2(50.69,15.58) v2(50.95,15.13) v2(51.21,15.58) v2(51.47,15.13) v2(51.73,15.58) v2(51.99,15.13) v2(52.25,15.58) v2(52.51,15.13) v2(52.77,15.58) v2(53.03,15.13) v2(53.29,15.58) v2(53.55,15.13) v2(53.81,15.58) v2(54.07,15.13) v2(54.33,15.58) v2(54.59,15.13) v2(54.85,15.58) v2(55.11,15.13) v2(55.37,15.58) v2(55.63,15.13) v2(55.89,15.58) v2(56.15,15.13)
/can/CAN_H: length 16.7
  Top w0.254: R705.2 57.01,86.38 ; 49.78,80.85 48.57,82.06 48.13,82.06 47.36,82.84 ; 49.78,80.09 51.4,78.47 53.17,78.47 D701.1 56.96,84.74
/can/CAN_L: length 13.4
  Top w0.254: 55.06,84.74 D701.2 55.06,81.05 53.07,79.07 51.6,79.07 51.05,79.61 U701.6 ; R705.1 55.01,86.34 ; R704.1 50.93,80.6
/can/CAN_RX: length 12.6
  Top w0.254: JP107.2 44.53,74.22 51.4,74.22 52.32,75.14
/can/CAN_TX: length 8.8
  Top w0.254: U701.1 47.67,74.68 44.71,74.68 42.04,77.35 JP108.2
/can_connector/CAN_18V: length 68.1
  Top w0.762: 56.9,95.12 55.63,93.85 J802.4 56.96,91.12 60.01,91.12 61.97,89.16
  In1.Cu w0.762: J801.4 38.61,93.72 J801.5 ; J802.4 55.63,93.72 J802.5
  In2.Cu w0.762: J801.4 38.61,93.72 J801.5 40.24,96.62 41.53,96.62 48.54,89.61 53.96,89.61 55.63,91.27 J802.4 55.63,93.72 J802.5
  Bottom w0.762: J802.5 55.63,93.72 J802.4 54.3,91.12 38.67,91.12 J801.4
/can_connector/CAN_H: length 52.2
  Top w0.254: J802.1 51.81,95 43.44,95 41.91,96.52 35.05,96.52 33.53,95 J801.1 ; 52.07,94.99 54.16,92.9 54.16,92.01 53.54,91.38 53.54,89.29 55.16,87.67 56.57,87.67 JP109.2
  In2.Cu w0.254: J802.1 51.31,94.49 46.1,94.49 42.29,98.3 36.83,98.3 J801.1
/can_connector/CAN_L: length 53.6
  Top w0.254: JP110.2 53.09,89.1 53.09,92.45 51.95,92.45 49.86,94.54 43.26,94.54 41.73,96.07 35.24,96.07 34.8,95.63 J801.2
  In2.Cu w0.254: J801.2 34.8,95.25 37.39,97.84 42.11,97.84 46.03,93.92 50.99,93.92 52.45,92.45 53.09,92.45
/Cuk/A: length 40.8
  Bottom w0.254: 55.44,23.88 NT103.2
  Bottom w0.762: 46.59,56.81 46.59,60.36 ; 59.18,69.25 D412.2 59.02,69.09 51.18,69.09 44.23,62.14 43.58,62.14 ; 36.7,52.58 38.58,54.45 38.58,56.15 ; 43.58,57.06 42.15,57.06 41.14,56.04 38.72,56.04 ; 43.58,62.48 43.58,57.4